# Altium PCB radxa_cm4_io_v1.10.PcbDoc (part 6 of 8) (continued)
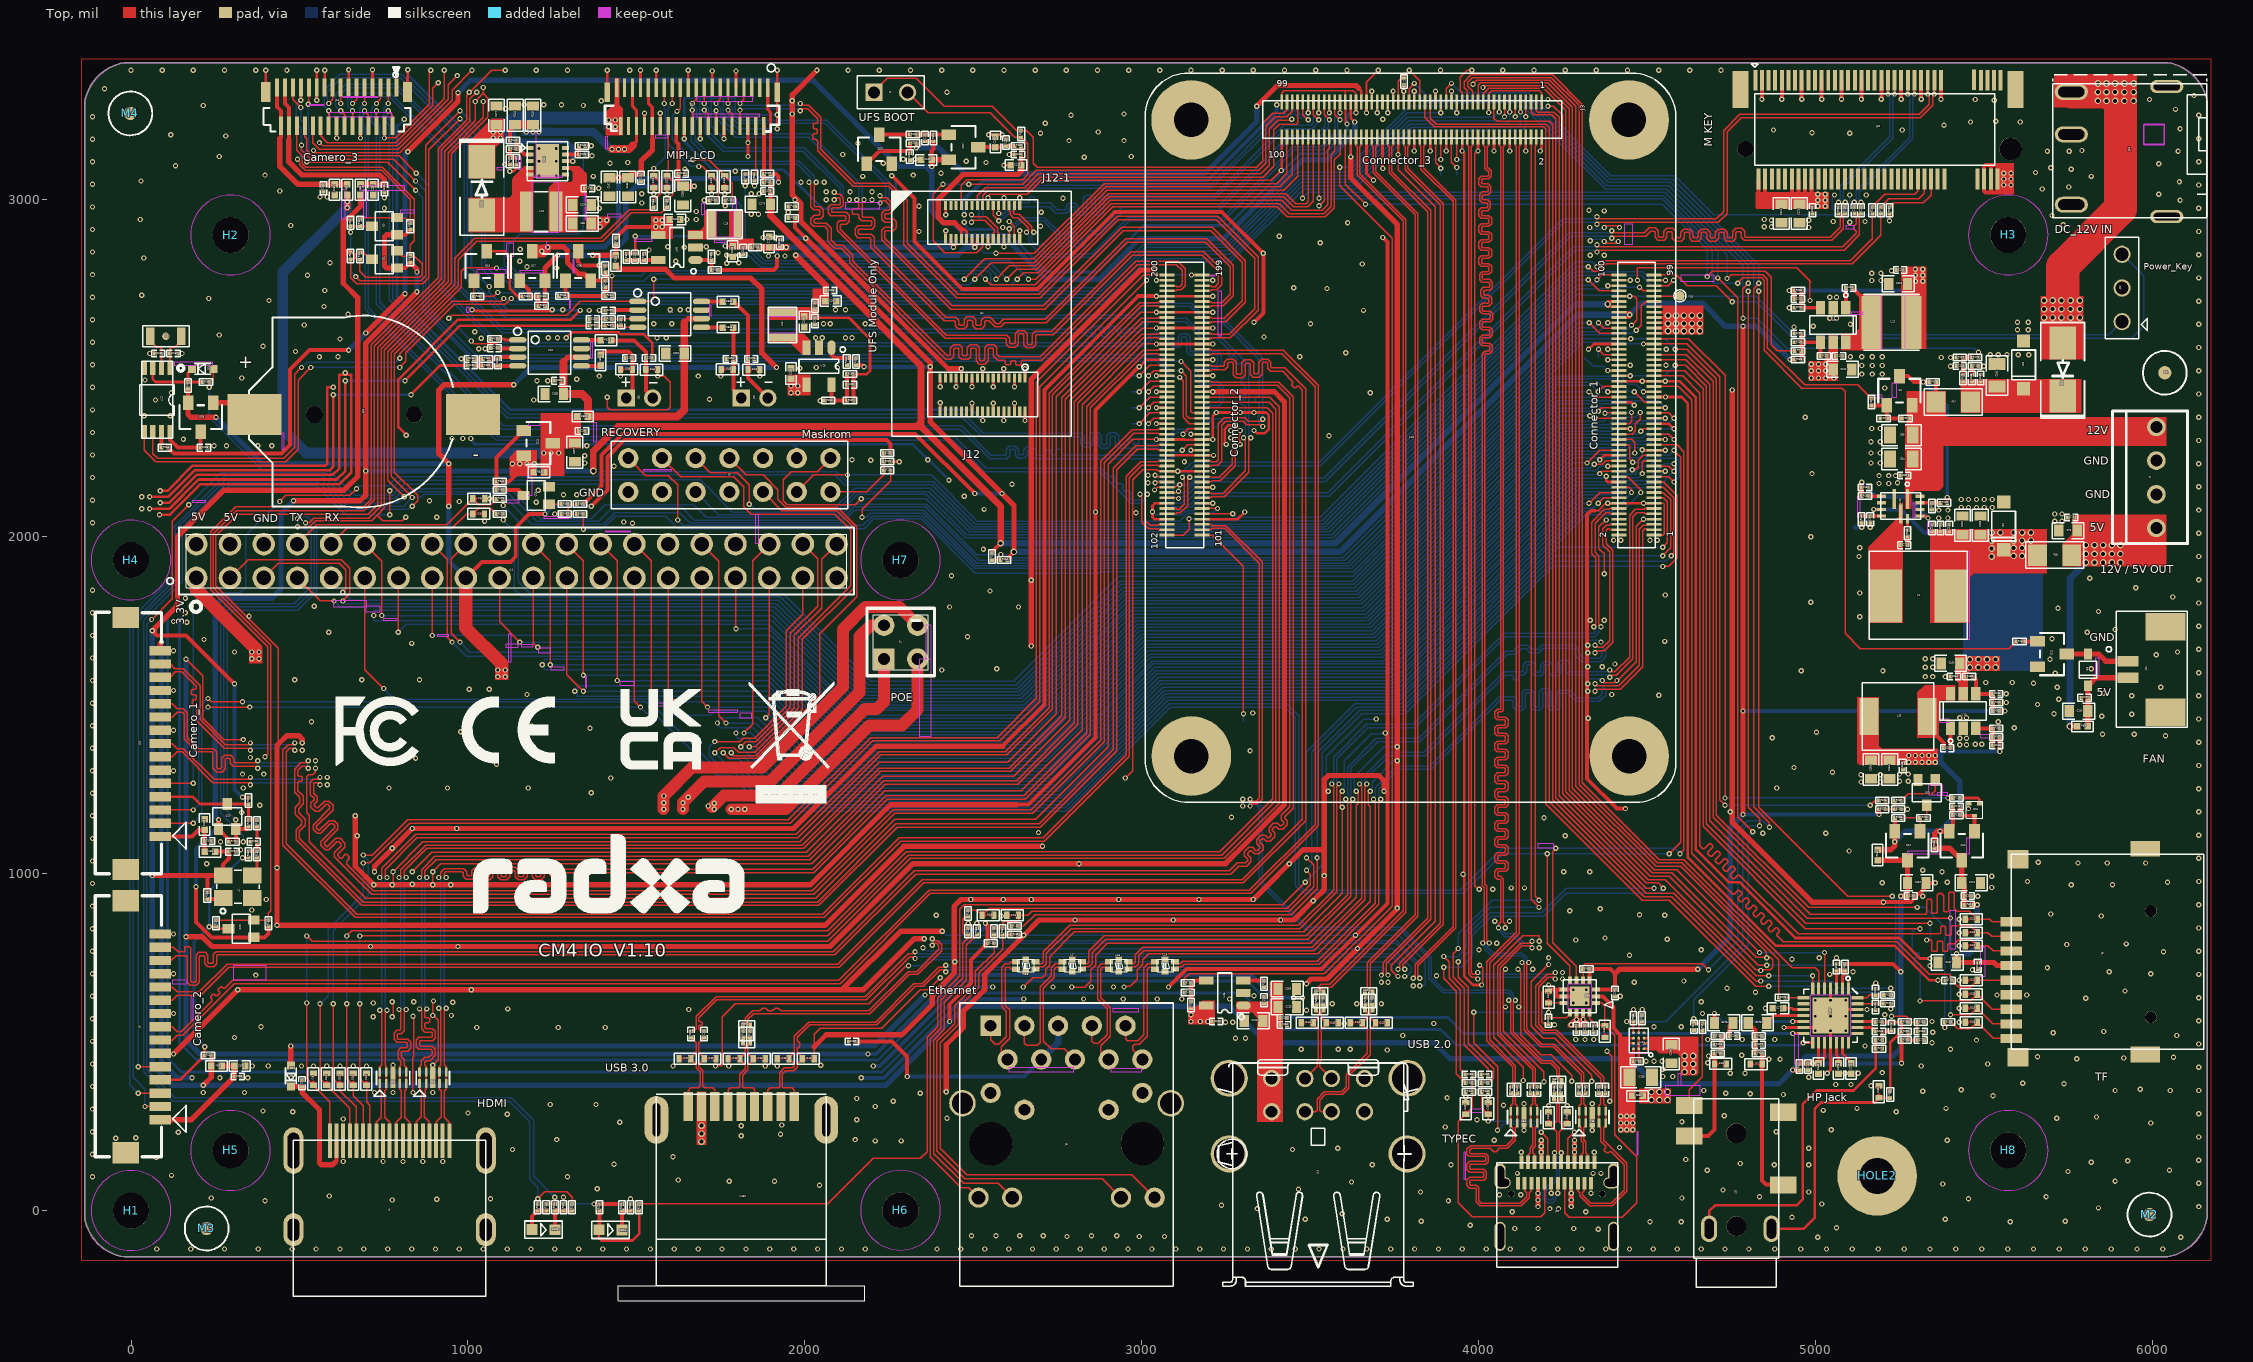
[diagram p0: Top view]
## Nets (pads, with @x,y where several pads share a name; then routed paths per layer and width w, separated by ;. In a path a pad name is that pad's centre, name@x,y a point inside that pad or via, vN(x,y) a via of type N, cw(c..) or ccw(c..) an arc to the next point about the centre after c; other vN are vias at no path point) (continued)
  Top w3.94: U33.63@4520.08,2492.91 4611.42,2492.91 4665.35,2438.98 4665.35,1139.76 4968.5,836.61 v1(5309.06,836.61) ; v1(5309.06,622.05) 5458.66,622.05 D20.2@5478.35,641.73 5522.83,597.24 J8.7@5579.7,597.24
  Bottom w3.94: v1(5309.06,622.05) 5309.06,731 5305.81,734.25 5293.5,734.25 5290.55,737.2 5290.55,747.05 5293.5,750 5303.71,750 5306.67,752.95 5306.67,762.8 5303.71,765.75 5288.39,765.75 5285.43,768.7 5285.43,826.77 5295.28,836.61 v1(5309.06,836.61)
SDMMC0_D1: D19.2 J8.8 U33.67 | length 2819.2
  Top w3.94: U33.67@4520.08,2524.41 4613.39,2524.41 4685.04,2452.76 4685.04,1157.48 4974.41,868.11 v1(5399.61,868.11) ; v1(5399.61,580.71) 5458.66,580.71 D19.2@5478.35,600.39 5524.8,553.94 J8.8@5579.7,553.94
  Bottom w3.94: v1(5399.61,580.71) v1(5399.61,868.11)
SDMMC0_D2/JTAG_TCK_M0: D22.2 J8.1 U33.69 | length 2803.6
  Top w3.94: U33.69@4520.08,2540.16 4615.35,2540.16 4694.88,2460.63 4694.88,1167.32 4983.58,878.62 5325.79,878.62 5328.74,881.57 5328.74,921.26 5330.71,923.23 5340.55,923.23 5344.49,919.29 5344.49,885.19 5347.44,882.24 5357.28,882.24 5360.24,885.19 5360.24,935.04 5366.14,940.94 5372.05,940.94 5378.94,934.06 5378.94,889.76 5382.36,886.34 5389.76,886.34 5393.7,890.27 5393.7,940.94 5397.64,944.88 5407.48,944.88 5410.43,941.93 5410.43,895.67 5418.31,887.8 5454.72,887.8 D22.2@5478.35,864.17 5516.54,864.17 5523.62,857.09 J8.1@5579.7,857.09
SDMMC0_D3/JTAG_TMS_M0: D23.2 J8.2 U33.61 | length 2814.2
  Top w3.94: U33.61@4520.08,2477.17 4604.33,2477.17 4655.51,2425.98 4655.51,1082.11 4663.8,1073.82 4667.98,1073.82 4683.03,1088.87 4687.2,1088.87 4694.16,1081.91 4694.16,1077.73 4679.11,1062.68 4679.11,1058.51 4686.07,1051.55 4690.25,1051.55 4705.3,1066.59 4709.47,1066.59 4716.43,1059.64 4716.43,1055.46 4701.38,1040.41 4701.38,1036.24 4708.34,1029.28 4712.52,1029.28 4727.57,1044.32 4731.74,1044.32 4738.7,1037.36 4738.7,1033.19 4723.66,1018.14 4723.66,1013.96 4730.62,1007 4734.79,1007 4749.84,1022.05 4754.02,1022.05 4760.98,1015.09 4760.98,1010.92 4745.93,995.87 4745.93,991.69 4752.89,984.73 4757.06,984.73 4767.93,995.61 4772.11,995.61 4946.85,820.87 5368.11,820.87 5370.08,822.83 5370.08,841.37 5373.03,844.32 5382.87,844.32 5385.83,841.37 5385.83,819.29 5388.78,816.34 5398.62,816.34 5401.57,819.29 5401.57,841.54 5404.53,844.49 5458.66,844.49 D23.2@5478.35,824.8 5510.63,824.8 5521.65,813.78 J8.2@5579.7,813.78
SDMMC0_DET_L: R228.1 U33.76 | length 2761.9
  Top w3.94: U33.76@4415.35,2587.4 v1(4450.79,2587.4) ; v1(4582.68,2555.91) 4617.32,2555.91 4704.72,2468.5 4704.72,1173.23 4978.35,899.61 v1(5301.18,899.61) ; v1(5381.89,543.31) R228.1@5381.89,559.06
  Bottom w3.94: v1(4450.79,2587.4) 4551.18,2587.4 v1(4582.68,2555.91) ; v1(5301.18,899.61) 5322.83,899.61 5381.89,840.55 v1(5381.89,543.31)
SDMMC0_PWREN_H: R230.1 U33.75 | length 2186.5
  Top w3.94: U33.75@4520.08,2587.4 4621.26,2587.4 4730.32,2478.35 v1(4730.32,1224.41) ; v1(5391.73,1224.41) R230.1@5407.48,1224.41
  Bottom w3.94: v1(4730.32,1224.41) v1(5391.73,1224.41)
SDS_IN_N: P5.1 U33.148 | length 119.3
  Top w3.94: v1(2991.73,2335.43) 3023.23,2366.93 U33.148@3074.8,2366.93
  Bottom w3.94: P5.1@2968.5,2335.43 v1(2991.73,2335.43)
SDS_IN_P: P4.1 U33.146 | length 83.9
  Top w3.94: v1(3019.29,2335.43) 3035.04,2351.18 U33.146@3074.8,2351.18
  Bottom w3.94: v1(3019.29,2335.43) 3019.68,2335.04 P4.1@3019.68,2313.78
SPI1_CLK_M0: J11.23 U33.38 | length 3999.3
  Top w3.94: J11.23@1293.7,1877.56 1293.7,1590.55 1342.52,1541.73 v1(1342.52,1541.34) ; U33.38@4415.35,2288.19 4452.76,2288.19 4462.6,2278.35 v1(4462.6,2248.03)
  Bottom w3.94: v1(1342.52,1541.34) 1891.73,1541.34 2070.87,1362.2 2704.72,1362.2 3013.78,1671.26 3702.76,1671.26 4275.59,2244.09 4458.66,2244.09 v1(4462.6,2248.03)
SPI1_CSN0_M0: J11.24 U33.39 | length 4177.5
  Top w3.94: J11.24@1293.7,1977.56 1342.52,1928.74 v1(1342.52,1588.58) ; U33.39@4520.08,2303.94 4562.99,2303.94 v1(4578.74,2288.19)
  Bottom w3.94: v1(1342.52,1588.58) 1891.73,1588.58 2088.58,1391.73 2692.91,1391.73 3001.97,1700.79 3690.94,1700.79 4263.78,2273.62 4425.2,2273.62 4435.04,2283.46 4494.09,2283.46 4515.75,2305.12 4561.81,2305.12 v1(4578.74,2288.19)
SPI1_CSN1_M0: J11.26 U33.37 | length 4022.9
  Top w3.94: J11.26@1393.7,1977.56 1442.91,1928.35 v1(1442.91,1572.83) ; U33.37@4520.08,2288.19 v1(4553.15,2288.19)
  Bottom w3.94: v1(1442.91,1572.83) 1891.73,1572.83 2082.68,1381.89 2696.85,1381.89 3005.91,1690.94 3694.88,1690.94 4267.72,2263.78 4429.13,2263.78 4438.98,2273.62 4503.15,2273.62 4517.72,2288.19 v1(4553.15,2288.19)
SPI1_MISO_M0: J11.21 U33.40 | length 4068
  Top w3.94: J11.21@1193.7,1877.56 1193.7,1684.25 v1(1206.69,1671.26) ; U33.40@4415.35,2303.94 4454.72,2303.94 4464.57,2313.78 4464.57,2334.65 4478.35,2348.43 v1(4478.35,2368.11)
  Bottom w3.94: v1(1206.69,1671.26) 1903.54,1671.26 2124.02,1450.79 2669.29,1450.79 2978.35,1759.84 3667.32,1759.84 4240.16,2332.68 4385.83,2332.68 4407.48,2354.33 4464.57,2354.33 v1(4478.35,2368.11)
SPI1_MOSI_M0: J11.19 U33.44 | length 4050.1
  Top w3.94: J11.19@1093.7,1877.56 1093.7,1746.85 v1(1153.54,1687.01) ; U33.44@4415.35,2335.43 4445.67,2335.43 4452.76,2342.52 v1(4452.76,2368.11)
  Bottom w3.94: v1(1153.54,1687.01) 1902.64,1687.01 2129.02,1460.63 2664.18,1460.63 2973.24,1769.69 3663.39,1769.69 4236.22,2342.52 4370.32,2342.52 4395.91,2368.11 v1(4452.76,2368.11)
SPI2_CLK_M1: J11.32 U33.31 | length 3782.5
  Top w3.94: J11.32@1693.7,1977.56 1744.09,1927.17 1744.09,1468.5 v1(1765.75,1446.85) ; v1(4454.72,2198.82) 4464.57,2198.82 4472.44,2206.69 4472.44,2226.38 4487.01,2240.94 U33.31@4520.08,2240.94
  Bottom w3.94: v1(1765.75,1446.85) 1854.33,1446.85 2007.87,1293.31 2732.28,1293.31 3041.34,1602.36 3730.32,1602.36 4291.34,2163.39 4391.73,2163.39 4427.17,2198.82 v1(4454.72,2198.82)
SPI2_CSN0_M1: J11.7 U33.54 | length 4445.3
  Top w3.94: J11.7@493.7,1877.56 562.2,1809.06 v1(602.36,1809.06) ; v1(4326.77,2429.92) 4342.52,2414.17 U33.54@4415.35,2414.17
  Bottom w3.94: v1(602.36,1809.06) 620.08,1791.34 1909.45,1791.34 2171.26,1529.53 2637.8,1529.53 2946.85,1838.58 3635.83,1838.58 4227.17,2429.92 v1(4326.77,2429.92)
SPI2_CSN1_M1: J11.33 U33.50 | length 3244.3
  Top w3.94: J11.33@1793.7,1877.56 1793.7,1875.59 1795.28,1874.02 v1(1795.28,1726.38) ; v1(4354.33,2372.05) 4364.96,2382.68 U33.50@4415.35,2382.68
  Bottom w3.94: v1(1795.28,1726.38) 1894.43,1726.38 2136.56,1484.25 2658.93,1484.25 2964.04,1789.37 3654.53,1789.37 4237.21,2372.05 v1(4354.33,2372.05)
SPI2_MISO_M1: J11.15 U33.46 | length 4164.4
  Top w3.94: v1(893.7,1706.69) J11.15@893.7,1877.56 ; v1(4328.74,2358.27) 4332.68,2354.33 4331.69,2353.35 4333.86,2351.18 U33.46@4415.35,2351.18
  Bottom w3.94: v1@894.69,1707.68 v1(893.7,1706.69) 1897.81,1706.69 2134.03,1470.47 2659.08,1470.47 2968.13,1779.53 3659.45,1779.53 4238.19,2358.27 v1(4328.74,2358.27)
SPI2_MOSI_M1: J11.11 U33.28 | length 4489.5
  Top w3.94: J11.11@693.7,1877.56 693.7,1605.51 v1(750,1549.21) ; v1(4381.89,2208.66) 4382.68,2209.45 U33.28@4415.35,2209.45
  Bottom w3.94: v1(750,1549.21) 781.5,1517.72 1564.96,1517.72 1612.2,1470.47 1718.5,1470.47 1730.32,1482.28 1883.86,1482.28 2045.28,1320.87 2721.15,1320.87 3030.2,1629.92 3716.54,1629.92 4281.5,2194.88 4346.65,2194.88 4360.43,2208.66 v1(4381.89,2208.66)
SPK_CTL_H: J3.96 R333.1 U31.1 U32.1 | length 3073
  Top w3.94: v1(942.91,2647.64) 952.76,2657.48 1293.31,2657.48 1333.67,2697.84 U32.1@1503.94,2697.84 1542.33,2697.84 1551.18,2706.69 v1(1551.18,2763.78) ; v1(1009.84,2580.71) 1017.72,2572.83 1084.65,2572.83 1088.58,2576.77 R333.1@1088.58,2586.61 ; v1(2472.44,2763.78) 2533.46,2824.8 2679.13,2824.8 2891.83,3037.5 3408.76,3037.5 3446.06,3074.8 3446.06,3181.4 J3.96@3446.07,3185.83
  Top w7.87: R333.1@1088.58,2586.61 1107.29,2586.61 1110.24,2583.67 U31.1@1147.64,2583.67
  Bottom w3.94: v1(942.91,2647.64) v1(1009.84,2580.71) ; v1(1551.18,2763.78) v1(2472.44,2763.78)
SSRX1N_DP_TX_D0N: J3.12 R346.1 | length 2890
  Top w3.94: R346.1@4094.49,368.11 4100.39,374.02 4100.39,427.17 4023.62,503.94 4023.62,738.19 4111.42,825.98 4111.42,3157.48 4107.48,3161.42 J3.12@4107.48,3185.83
SSRX1P_DP_TX_D0P: J3.10 R347.1 | length 2890
  Top w3.94: R347.1@4114.17,368.11 4108.27,374.02 4108.27,430.43 4031.5,507.2 4031.5,734.93 4119.29,822.72 4119.29,3157.48 4123.23,3161.42 J3.10@4123.23,3185.83
SSRX2N_DP_TX_D2N: J3.24 R348.1 | length 3534
  Top w3.94: v1(4011.02,794.09) 4015.75,798.82 4015.75,958.47 4009.84,964.37 4009.84,2538.58 4009.84,2542.83 4017.41,2550.39 4028.54,2550.39 4031.5,2553.35 4031.5,2563.19 4028.54,2566.14 4009.53,2566.14 4001.97,2573.71 4001.97,2590.07 4009.53,2597.64 4028.54,2597.64 4031.5,2600.59 4031.5,2610.43 4028.54,2613.39 4009.53,2613.39 4001.97,2620.95 4001.97,2637.32 4009.53,2644.88 4030.51,2644.88 4033.46,2647.83 4033.46,2657.68 4030.51,2660.63 4009.53,2660.63 4001.97,2668.2 4001.97,2684.56 4009.53,2692.13 4026.57,2692.13 4029.53,2695.08 4029.53,2704.92 4026.57,2707.87 4013.47,2707.87 4005.91,2715.44 4005.91,2731.8 4013.47,2739.37 4028.54,2739.37 4031.5,2742.32 4031.5,2752.17 4028.54,2755.12 4009.53,2755.12 4001.97,2762.68 4001.97,2779.05 4009.53,2786.61 4026.57,2786.61 4029.53,2789.57 4029.53,2799.41 4026.57,2802.36 4007.57,2802.36 4000,2809.93 4000,2826.29 4007.57,2833.86 4026.57,2833.86 4029.53,2836.81 4029.53,2846.65 4026.57,2849.61 4007.57,2849.61 4000,2857.17 4000,2873.54 4007.57,2881.1 4026.57,2881.1 4029.53,2884.06 4029.53,2893.9 4026.57,2896.85 4007.57,2896.85 4000,2904.42 4000,2920.78 4007.57,2928.35 4026.57,2928.35 4029.53,2931.3 4029.53,2941.14 4026.57,2944.09 4007.57,2944.09 4000,2951.66 4000,2968.03 4007.57,2975.59 4022.64,2975.59 4025.59,2978.54 4025.59,2988.39 4022.64,2991.34 4009.53,2991.34 4001.97,2998.9 4001.97,3015.27 4009.53,3022.83 4024.61,3022.83 4027.56,3025.79 4027.56,3035.63 4024.61,3038.58 4007.57,3038.58 4000,3046.15 4000,3062.51 4007.57,3070.08 4025.79,3070.08 4028.74,3073.03 4028.74,3082.87 4025.79,3085.83 4024.49,3085.83 4016.93,3093.39 4016.93,3157.48 4012.99,3161.42 J3.24@4013,3185.83 ; v1(4127.95,736.22) 4133.86,730.32 4133.86,535.43 4183.07,486.22 4220.47,486.22 4303.15,403.54 4303.15,374.02 R348.1@4297.24,368.11
  Bottom w3.94: v1(4011.02,794.09) 4016.93,788.19 4016.93,777.56 4038.58,755.91 4125.98,755.91 4133.86,748.03 4133.86,742.13 v1(4127.95,736.22)
SSRX2P_DP_TX_D2P: J3.22 R349.1 | length 3535
  Top w3.94: J3.22@4028.74,3185.83 4028.74,3161.42 4024.8,3157.48 4024.8,3096.65 4027.76,3093.7 4029.05,3093.7 4036.61,3086.14 4036.61,3069.77 4029.05,3062.2 4010.83,3062.2 4007.87,3059.25 4007.87,3049.41 4010.83,3046.46 4027.87,3046.46 4035.43,3038.89 4035.43,3022.53 4027.87,3014.96 4012.8,3014.96 4009.84,3012.01 4009.84,3002.17 4012.8,2999.21 4025.9,2999.21 4033.46,2991.65 4033.46,2975.28 4025.9,2967.72 4010.83,2967.72 4007.87,2964.76 4007.87,2954.92 4010.83,2951.97 4029.84,2951.97 4037.4,2944.4 4037.4,2928.04 4029.84,2920.47 4010.83,2920.47 4007.87,2917.52 4007.87,2907.68 4010.83,2904.72 4029.84,2904.72 4037.4,2897.16 4037.4,2880.79 4029.84,2873.23 4010.83,2873.23 4007.87,2870.28 4007.87,2860.43 4010.83,2857.48 4029.84,2857.48 4037.4,2849.92 4037.4,2833.55 4029.84,2825.98 4010.83,2825.98 4007.87,2823.03 4007.87,2813.19 4010.83,2810.24 4029.84,2810.24 4037.4,2802.67 4037.4,2786.31 4029.84,2778.74 4012.8,2778.74 4009.84,2775.79 4009.84,2765.94 4012.8,2762.99 4031.8,2762.99 4039.37,2755.43 4039.37,2739.06 4031.8,2731.5 4016.73,2731.5 4013.78,2728.54 4013.78,2718.7 4016.73,2715.75 4029.84,2715.75 4037.4,2708.18 4037.4,2691.82 4029.84,2684.25 4012.8,2684.25 4009.84,2681.3 4009.84,2671.46 4012.8,2668.5 4033.77,2668.5 4041.34,2660.94 4041.34,2644.57 4033.77,2637.01 4012.8,2637.01 4009.84,2634.06 4009.84,2624.21 4012.8,2621.26 4031.8,2621.26 4039.37,2613.69 4039.37,2597.33 4031.8,2589.76 4012.8,2589.76 4009.84,2586.81 4009.84,2576.97 4012.8,2574.02 4031.8,2574.02 4039.37,2566.45 4039.37,2550.08 4031.8,2542.52 4020.67,2542.52 4017.72,2539.57 4017.72,2538.58 4017.72,967.63 4023.62,961.73 4023.62,801.18 v1(4030.71,794.09) ; v1(4147.64,736.22) 4141.73,730.32 4141.73,538.69 4186.33,494.09 4223.73,494.09 4311.02,406.8 4311.02,374.02 R349.1@4316.93,368.11
  Bottom w3.94: v1(4030.71,794.09) 4024.8,788.19 4024.8,780.82 4041.84,763.78 4129.25,763.78 4141.73,751.29 4141.73,750 4141.73,742.13 v1(4147.64,736.22)
SSTX1N_DP_TX_D1N: C251.1 J3.18 | length 3531.1
  Top w3.94: v1(4058.27,839.37) 4058.55,839.37 4058.55,850.39 4064.32,856.16 4064.32,980.65 4061.36,983.61 4054.81,983.61 4047.24,991.17 4047.24,1007.54 4054.81,1015.1 4075.79,1015.1 4078.74,1018.06 4078.74,1027.9 4075.79,1030.85 4054.81,1030.85 4047.24,1038.42 4047.24,1054.78 4054.81,1062.35 4075.79,1062.35 4078.74,1065.3 4078.74,1075.14 4075.79,1078.1 4054.81,1078.1 4047.24,1085.66 4047.24,1102.03 4054.81,1109.59 4075.79,1109.59 4078.74,1112.54 4078.74,1122.39 4075.79,1125.34 4054.81,1125.34 4047.24,1132.9 4047.24,1149.27 4054.81,1156.84 4075.79,1156.84 4078.74,1159.79 4078.74,1169.63 4075.79,1172.58 4054.81,1172.58 4047.24,1180.15 4047.24,1196.51 4054.81,1204.08 4075.79,1204.08 4078.74,1207.03 4078.74,1216.87 4075.79,1219.83 4054.81,1219.83 4047.24,1227.39 4047.24,1243.76 4054.81,1251.32 4075.79,1251.32 4078.74,1254.28 4078.74,1264.12 4075.79,1267.07 4054.81,1267.07 4047.24,1274.64 4047.24,1291 4054.81,1298.57 4075.79,1298.57 4078.74,1301.52 4078.74,1311.36 4075.79,1314.32 4054.81,1314.32 4047.24,1321.88 4047.24,1338.25 4054.81,1345.81 4075.79,1345.81 4078.74,1348.76 4078.74,1358.61 4075.79,1361.56 4054.81,1361.56 4047.24,1369.12 4047.24,1385.49 4054.81,1393.06 4075.79,1393.06 4078.74,1396.01 4078.74,1405.85 4075.79,1408.8 4054.81,1408.8 4047.24,1416.37 4047.24,1432.73 4054.81,1440.3 4075.79,1440.3 4078.74,1443.25 4078.74,1453.1 4075.79,1456.05 4054.81,1456.05 4047.24,1463.61 4047.24,1479.98 4054.81,1487.54 4062.99,1487.54 4064.17,1488.72 4064.17,3157.48 4060.24,3161.42 J3.18@4060.24,3185.83 ; v1(4157.48,779.53) 4151.57,785.43 4127.28,785.43 4062.99,721.15 4062.99,524.91 4167.32,420.58 4167.32,374.02 C251.1@4173.23,368.11
  Bottom w3.94: v1(4058.27,839.37) 4064.17,833.46 4064.17,826.77 4064.17,825.48 4076.66,812.99 4103.04,812.99 4130.6,785.43 4133.86,785.43 4151.57,785.43 v1(4157.48,779.53)
SSTX1P_DP_TX_D1P: C252.1 J3.16 | length 3531.6
  Top w3.94: J3.16@4075.99,3185.83 4075.98,3161.42 4072.05,3157.48 4072.05,1484.48 4067.24,1479.67 4058.07,1479.67 4055.12,1476.72 4055.12,1466.87 4058.07,1463.92 4079.05,1463.92 4086.61,1456.36 4086.61,1439.99 4079.05,1432.43 4058.07,1432.43 4055.12,1429.47 4055.12,1419.63 4058.07,1416.68 4079.05,1416.68 4086.61,1409.11 4086.61,1392.75 4079.05,1385.18 4058.07,1385.18 4055.12,1382.23 4055.12,1372.39 4058.07,1369.43 4079.05,1369.43 4086.61,1361.87 4086.61,1345.5 4079.05,1337.94 4058.07,1337.94 4055.12,1334.98 4055.12,1325.14 4058.07,1322.19 4079.05,1322.19 4086.61,1314.62 4086.61,1298.26 4079.05,1290.69 4058.07,1290.69 4055.12,1287.74 4055.12,1277.9 4058.07,1274.95 4079.05,1274.95 4086.61,1267.38 4086.61,1251.01 4079.05,1243.45 4058.07,1243.45 4055.12,1240.5 4055.12,1230.65 4058.07,1227.7 4079.05,1227.7 4086.61,1220.14 4086.61,1203.77 4079.05,1196.21 4058.07,1196.21 4055.12,1193.25 4055.12,1183.41 4058.07,1180.46 4079.05,1180.46 4086.61,1172.89 4086.61,1156.53 4079.05,1148.96 4058.07,1148.96 4055.12,1146.01 4055.12,1136.17 4058.07,1133.21 4079.05,1133.21 4086.61,1125.65 4086.61,1109.28 4079.05,1101.72 4058.07,1101.72 4055.12,1098.76 4055.12,1088.92 4058.07,1085.97 4079.05,1085.97 4086.61,1078.4 4086.61,1062.04 4079.05,1054.47 4058.07,1054.47 4055.12,1051.52 4055.12,1041.68 4058.07,1038.72 4079.05,1038.72 4086.61,1031.16 4086.61,1014.79 4079.05,1007.23 4058.07,1007.23 4055.12,1004.28 4055.12,994.43 4058.07,991.48 4064.62,991.48 4072.19,983.92 4072.19,856.16 4077.67,850.68 4077.67,839.37 v1(4077.95,839.37) ; C252.1@4153.54,368.11 4159.45,374.02 4159.45,417.32 4055.12,521.65 4055.12,724.41 4124.02,793.31 4151.57,793.31 v1(4157.48,799.21)
  Bottom w3.94: v1(4077.95,839.37) 4072.05,833.46 4072.05,828.74 4079.92,820.87 4106.3,820.87 4133.86,793.31 4151.57,793.31 v1(4157.48,799.21)
SSTX2N_DP_TX_D3N: C253.1 J3.30 | length 3216.2
  Top w3.94: J3.30@3965.75,3185.83 3965.75,3182.5 3965.75,3161.42 3969.69,3157.48 3969.69,702.25 3979.02,692.91 3990.16,692.91 v1(3996.06,687.01) ; v1(4226.38,687.01) 4220.47,692.91 4206.02,692.91 4177.17,664.06 4177.17,552.47 4194.21,535.43 4230.32,535.43 4370.08,395.67 4370.08,374.02 C253.1@4375.98,368.11
  Bottom w3.94: v1(3996.06,687.01) 4001.97,692.91 4220.47,692.91 v1(4226.38,687.01)
SSTX2P_DP_TX_D3P: C254.1 J3.28 | length 3217.3
  Top w3.94: J3.28@3981.5,3185.83 3981.5,3179.9 3981.5,3161.42 3977.56,3157.48 3977.56,705.51 3982.28,700.79 3990.16,700.79 v1(3996.06,706.69) ; v1(4226.38,706.69) 4220.47,700.79 4202.76,700.79 4169.29,667.32 4169.29,549.21 4190.94,527.56 4227.05,527.56 4362.2,392.41 4362.2,374.02 C254.1@4356.3,368.11
  Bottom w3.94: v1(3996.06,706.69) 4000,702.76 4000,700.79 4220.47,700.79 v1(4226.38,706.69)
TP_DET: J3.82 R234.1 | length 2547.7
  Top w3.94: R234.1@1427.17,2714.57 v1(1427.17,2773.62) ; v1(2629.92,2763.78) 2649.61,2783.46 2691.62,2783.46 2906.19,2998.03 3415.35,2998.03 3444.88,2968.5 3535.43,2968.5 3551.18,2984.25 3551.18,3147.69 3556.3,3152.81 3556.3,3181 J3.82@3556.3,3185.83
  Bottom w3.94: v1(1427.17,2773.62) 1513.78,2773.62 1529.53,2789.37 2541.34,2789.37 2551.18,2779.53 2551.18,2753.94 2557.09,2748.03 2614.17,2748.03 v1(2629.92,2763.78)
TP_INT_L: J3.88 R259.1 | length 2296.5
  Top w3.94: v1(1700.79,2998.03) R259.1@1716.54,2998.03 ; v1(2598.43,2763.78) 2627.95,2793.31 2688.36,2793.31 2902.93,3007.87 3421.26,3007.87 3450.79,2978.35 3492.13,2978.35 3509.06,2995.28 3509.06,3184.1 J3.88@3509.06,3185.83
  Bottom w3.94: v1(1700.79,2998.03) 1795.28,2998.03 1811.02,2982.28 1811.02,2872.05 1874.02,2809.06 2553.15,2809.06 v1(2598.43,2763.78)
TP_INT_LCD: D25.1 R259.2 U20.25 | length 423.6
  Top w3.94: v1(1606.3,3285.43) U20.25@1606.3,3331.89 ; v1(1685.04,3098.43) 1694.88,3098.43 D25.1@1722.44,3070.87 1742.13,3051.18 1742.13,3023.62 1742.13,3003.94 R259.2@1736.22,2998.03
  Bottom w3.94: v1(1606.3,3285.43) 1592.52,3271.65 1592.52,3167.32 1661.42,3098.43 v1(1685.04,3098.43)
TP_RST_L: J3.90 R260.1 | length 2215.4
  Top w3.94: v1(1763.78,2982.28) R260.1@1763.78,2998.03 ; v1(2566.93,2763.78) 2606.3,2803.15 2685.04,2803.15 2899.61,3017.72 3427.17,3017.72 3456.69,2988.19 3487.4,2988.19 3493.31,2994.09 3493.31,3181.2 J3.90@3493.31,3185.83
  Bottom w3.94: v1(1763.78,2982.28) 1787.4,2982.28 1801.18,2968.5 1801.18,2866.14 1868.11,2799.21 2545.28,2799.21 2566.93,2777.56 v1(2566.93,2763.78)
TP_RST_LCD: D28.1 R260.2 U20.23 | length 444.7
  Top w3.94: v1(1620.08,3261.81) 1629.92,3271.65 U20.23@1629.92,3331.89 ; v1(1667.32,3118.11) 1714.57,3118.11 D28.1@1761.81,3070.87 1783.46,3049.21 R260.2@1783.46,2998.03
  Bottom w3.94: v1(1620.08,3261.81) 1606.3,3248.03 1606.3,3179.13 v1(1667.32,3118.11)
TP_SCL_LCD: D26.1 R256.2 U20.27 | length 364.8
  Top w3.94: R256.2@1551.18,2998.03 1570.87,3017.72 1570.87,3051.18 D26.1@1551.18,3070.87 v1(1551.18,3092.52) ; v1(1582.68,3285.43) U20.27@1582.68,3331.89
  Bottom w3.94: v1(1551.18,3092.52) 1584.65,3125.98 1584.65,3267.62 1582.68,3269.59 v1(1582.68,3285.43)
TP_SDA_LCD: D27.1 R258.2 U20.26 | length 236.3
  Top w3.94: R258.2@1590.55,2998.03 1607.46,3014.94 1607.46,3053.96 D27.1@1590.55,3070.87 1590.55,3082.68 1594.49,3086.61 U20.26@1594.49,3218.71
TR0: J6.11 J7.2 | length 2297.5
  Top w35.43: v1(1637.8,1190.94) v1(1637.8,1210.63) v1(1653.54,1226.38) 1700.79,1273.62 1897.64,1273.62 2161.42,1537.4 2161.42,1703.54 2194.88,1737.01 J7.2@2234.25,1737.01
  Power w3.94: v1(1637.8,1190.94) 1655.51,1190.94 1655.51,1226.38 v1(1653.54,1226.38)
  Power w35.43: v1(1653.54,1226.38) v1(1637.8,1210.63) v1(1637.8,1190.94) 1637.8,1179.13 2423.23,393.7 2506.69,393.7 J6.11@2551.18,349.21
TR1: J6.12 J7.1 | length 2999.6
  Top w3.94: v1(1580.71,1210.63) v1@1580.71,1212.6
  Top w35.43: v1(1580.71,1190.94) v1(1580.71,1210.63) ; v1@1580.71,1212.6 v1(1580.71,1230.32) 1665.35,1314.96 1874.02,1314.96 2112.2,1553.15 2112.2,1724.41 2179.13,1791.34 2279.92,1791.34 J7.1@2334.25,1737.01
  Power w35.43: v1(1580.71,1230.32) v1(1580.71,1210.63) v1(1580.71,1190.94) 1580.71,1169.29 2379.92,370.08 2379.92,200.79 2480.32,100.39 2615.75,100.39 2651.18,135.83 J6.12@2651.18,299.21
TR2: J6.13 J7.4 | length 2375.8
  Top w3.94: 1724.41,1196.85 v1(1730.32,1190.94)
  Top w35.43: 1724.41,1196.85 1759.84,1232.28 1921.26,1232.28 2177.17,1488.19 2212.6,1488.19 2234.25,1509.84 J7.4@2234.25,1637.01
  Power w3.94: v1(1712.6,1200.79) 1714.81,1203 v1@1730.32,1203 ; 1730.32,1177.17 v1(1730.32,1190.94)
  Power w35.43: 1730.32,1177.17 1730.32,1149.61 2437.01,442.91 2533.46,442.91 2624.02,352.36 2848.03,352.36 J6.13@2901.18,299.21 ; v1(1730.32,1190.94) 1730.32,1203 v1(1730.32,1208.66)
TR3: J6.14 J7.3 | length 2457.6
  Top w35.43: v1(1781.5,1190.94) v1(1820.87,1190.94) 1942.91,1190.94 2191.34,1439.37 2287.4,1439.37 2334.25,1486.22 J7.3@2334.25,1637.01
  Power w3.94: v1@1818.9,1190.94 v1(1820.87,1190.94)
  Power w35.43: v1(1781.5,1190.94) v1(1801.18,1190.94) v1@1818.9,1190.94 ; v1(1820.87,1190.94) 1820.87,1124.02 2450.79,494.09 2826.77,494.09 2852.36,468.5 2852.36,427.17 2930.32,349.21 J6.14@3001.18,349.21
TYPEC0_AUXM: C250.2 D49.2 J15.B8 R339.2 R341.1 | length 761.6
  Top w3.94: C250.2@3980.31,403.54 R339.2@3980.31,377.95 R341.1@3980.31,352.36 3980.32,305.12 D49.2@3960.63,285.43 3938.98,263.78 3938.98,23.62 3980.32,-17.72 4183.07,-17.72 4194.88,-5.91 J15.B8@4194.88,80.71
TYPEC0_AUXP: C249.2 D50.2 J15.A8 R338.2 R340.1 | length 512.5
  Top w3.94: C249.2@4007.87,403.54 R338.2@4007.87,377.95 R340.1@4007.87,352.36 4007.87,305.12 D50.2@4027.56,285.43 v1(4027.56,265.75) ; J15.A8@4263.78,143.7 4263.78,212.6 v1(4283.46,232.28)
  Bottom w3.94: v1(4027.56,265.75) 4250,265.75 v1(4283.46,232.28)
TYPEC0_CC1: C257.1 D47.2 J15.A5 U36.10 U36.11 | length 1006.7
  Top w3.94: v1(3984.25,588.58) 3984.25,498.03 4055.12,427.17 v1(4055.12,238.19) ; v1(4185.04,232.28) 4204.72,212.6 J15.A5@4204.72,143.7 ; U36.10@4251.57,616.14 D47.2@4206.69,616.14 v1(4206.69,588.58) C257.1@4206.69,572.83 4259.84,572.83 4269.69,582.68 U36.11@4269.69,588.19
  Bottom w3.94: v1(3984.25,588.58) v1(4206.69,588.58) ; v1(4055.12,238.19) 4072.83,255.91 4161.42,255.91 v1(4185.04,232.28)
TYPEC0_CC2: C258.1 D48.2 J15.B5 U36.1 U36.14 | length 1055.2
  Top w3.94: J15.B5@4253.94,80.71 4253.94,-5.91 4267.72,-19.68 4425.2,-19.68 4468.5,23.62 4468.5,159.45 4403.54,224.41 4403.54,519.69 D48.2@4374.02,549.21 ; U36.14@4328.74,588.19 4328.74,568.9 4340.55,557.09 C258.1@4340.55,549.21 D48.2@4374.02,549.21 ; U36.1@4346.85,616.14 4364.17,616.14 4374.02,606.3 D48.2@4374.02,549.21
TYPEC0_OTGDM: D46.2 J15.A7 J15.B7 L31.1 R343.2 | length 465.5
  Top w3.94: v1(4214.57,51.18) J15.B7@4214.57,80.71 ; J15.A7@4244.09,143.7 v1(4244.09,171.26) 4238.19,177.17 4238.19,234.25 D46.2@4261.81,257.87 4244.09,257.87 4238.19,263.78 4238.19,326.76 L31.1@4245.08,333.66 4244.09,333.66 R343.2@4244.09,348.43
  Bottom w3.94: v1(4214.57,51.18) 4220.47,45.28 4220.47,36.73 4215.24,31.5 4206.02,31.5 4198.82,38.69 4198.82,57.42 4238.19,96.79 4238.19,165.35 v1(4244.09,171.26)
TYPEC0_OTGDP: D51.2 J15.A6 J15.B6 L31.2 R345.2 | length 490.4
  Top w3.94: J15.A6@4224.41,143.7 v1(4224.41,171.26) 4230.32,177.17 4230.32,234.25 D51.2@4206.69,257.87 4222.44,257.87 4230.32,265.75 4230.32,326.76 L31.2@4223.42,333.66 4224.41,333.66 R345.2@4224.41,348.43 ; v1(4234.25,51.18) J15.B6@4234.25,80.71
  Bottom w3.94: v1(4224.41,171.26) 4230.32,165.35 4230.32,100.06 4190.94,60.69 4190.94,35.43 4202.76,23.62 4218.5,23.62 4228.35,33.46 4228.35,45.28 v1(4234.25,51.18)
TYPEC0RX1N: J15.B10 R346.2 U34.1 U34.10 | length 872.6
  Top w3.94: R346.2@4094.49,348.43 4100.39,342.52 4100.39,316.93 4094.49,311.02 U34.10@4094.49,294.78 U34.1@4094.49,260.34 4094.49,250.99 4100.4,245.08 4100.4,212.26 4081.05,192.91 3975.09,192.91 3964.57,182.4 3964.57,181.44 3964.57,167.32 3970.47,161.42 4016.73,161.42 4019.69,158.46 4019.69,148.62 4016.73,145.67 3972.13,145.67 3964.57,138.1 3964.57,121.74 3972.13,114.17 4010.83,114.17 4013.78,111.22 4013.78,101.38 4010.83,98.43 3972.13,98.43 3964.57,90.86 3964.57,74.49 3972.13,66.93 3989.17,66.93 3992.13,63.98 3992.13,25.93 4004.27,13.78 4125.98,13.78 4149.61,37.4 4149.61,53.15 4155.51,59.06 J15.B10@4155.51,80.71
TYPEC0RX1P: J15.B11 R347.2 U34.2 U34.9 | length 854.3
  Top w3.94: R347.2@4114.17,348.43 4108.27,342.52 4108.27,316.93 4114.18,311.02 U34.9@4114.18,294.78 U34.2@4114.18,260.34 4114.18,250.99 4108.27,245.08 4108.27,209 4084.31,185.04 4061.02,185.04 4051.18,175.2 4043.31,175.2 4033.46,185.04 3978.35,185.04 3972.44,179.13 3972.44,171.26 3974.41,169.29 4019.99,169.29 4027.56,161.73 4027.56,145.36 4019.99,137.8 3975.39,137.8 3972.44,134.84 3972.44,125 3975.39,122.05 4014.09,122.05 4021.65,114.48 4021.65,98.12 4014.09,90.55 3975.39,90.55 3972.44,87.6 3972.44,77.76 3975.39,74.8 3992.43,74.8 4000,67.24 4000,29.19 4007.54,21.65 4122.72,21.65 4141.73,40.66 4141.73,53.15 4135.83,59.06 J15.B11@4135.83,80.71
TYPEC0RX2N: J15.A10 R348.2 U35.1 U35.10 | length 217
  Top w3.94: R348.2@4297.24,348.43 4303.15,342.52 4303.15,316.93 4297.24,311.02 U35.10@4297.24,294.78 U35.1@4297.24,260.34 4297.24,250.99 4303.15,245.08 4303.15,206.69 4309.06,200.79 4309.06,171.26 4303.15,165.35 J15.A10@4303.15,143.7
TYPEC0RX2P: J15.A11 R349.2 U35.2 U35.9 | length 217
  Top w3.94: R349.2@4316.93,348.43 4311.02,342.52 4311.02,316.93 4316.93,311.02 U35.9@4316.93,294.78 U35.2@4316.93,260.34 4316.93,250.99 4311.03,245.08 4311.03,209.95 4316.93,204.05 4316.93,171.26 4322.83,165.35 J15.A11@4322.83,143.7
TYPEC0TX1N: C251.2 J15.A3 U34.5 U34.6 | length 217.8
  Top w3.94: J15.A3@4165.35,143.7 4165.35,165.35 4159.45,171.26 4159.45,183.41 4167.32,191.28 4167.32,245.08 4173.23,250.99 U34.5@4173.23,260.34 U34.6@4173.23,294.78 4173.23,311.02 4167.32,316.93 4167.32,342.52 C251.2@4173.23,348.43
TYPEC0TX1P: C252.2 J15.A2 U34.4 U34.7 | length 217.8
  Top w3.94: J15.A2@4145.67,143.7 4145.67,165.35 4151.57,171.26 4151.57,186.67 4159.45,194.54 4159.45,245.08 4153.54,250.99 U34.4@4153.54,260.34 U34.7@4153.54,294.78 4153.54,311.02 4159.45,316.93 4159.45,342.52 C252.2@4153.54,348.43
TYPEC0TX2N: C253.2 J15.B3 U35.5 U35.6 | length 537
  Top w3.94: J15.B3@4293.31,80.71 4293.31,59.06 4299.21,53.15 4299.21,43.31 4328.74,13.78 4395.67,13.78 4438.98,57.09 4438.98,139.76 4370.08,208.66 4370.08,245.08 4375.98,250.99 U35.5@4375.98,260.34 U35.6@4375.98,294.78 4375.98,311.02 4370.08,316.93 4370.08,342.52 C253.2@4375.98,348.43